# KiCad board poly_kb_wave_left2.kicad_pcb (continued)
## Routing (per net, layer and track width the routed paths; a pad name or vN(x,y) marks a point on that pad's centre or on a via; arc(x,y) is an arc through that point) (continued)
SR_DATA: length 242.3
  Top w0.229: v2(32.28,107.99) 30.68,107.99 28.29,105.6 22.69,105.6 21.49,104.4 13.49,104.4 5.69,96.6 5.69,53.75 DBG3.7
  In2.Cu w0.229: v2(151.19,117.9) 151.19,118.21 148,121.4 112.59,121.4 111.29,122.7 99.39,122.7 94.39,117.7 89.19,117.7 85.39,121.5 83.69,121.5 81.19,124 70.4,124 70.03,124.37 52.99,124.37 49.32,120.7 34.89,120.7 32.28,118.09 v2(32.28,107.99)
  Bottom w0.229: 154.98,105.34 154.98,105.35 154.45,105.35 ; 154.98,105.34 154.97,105.35 152.95,105.35 152.09,106.2 152.09,111.9 151.19,112.8 v2(151.19,117.9) ; 154.98,105.34 158.31,105.34 U10.38
  Bottom w0.254: U4.14 33.38,103.49 34.49,104.6 34.49,105.78 v2(32.28,107.99)
SR_LATCH: length 352.5
  Top w0.254: v2(30.59,34.1) 23.69,34.1 20.29,37.5 10.89,37.5 5.69,42.7 5.69,47.67 DBG3.8
  In1.Cu w0.229: 31.24,33.8 31.24,27.6 35.14,23.7 69.74,23.7 73.44,20 v2(79.29,20) 79.37,20.08 89.42,20.08 v2(89.49,20) ; 31.24,33.8 31.24,42.2 32.06,43.02 32.06,65.54 v2(32.04,65.56) 32.04,69.76 36.86,74.58 36.86,79.33 34.66,81.53 34.66,83.48 33.33,84.8 v2(33.29,84.8) ; 31.24,33.8 31.24,34.1 v2(30.59,34.1)
  In2.Cu w0.229: v2(150.89,120.3) 148.69,122.5 145.89,122.5 144.89,123.5 123.89,123.5 123.59,123.8 101.89,123.8 ; 101.89,123.8 99.39,123.8 94.19,118.6 89.43,118.6 85.65,122.38 84.11,122.38 81.73,124.76 70.74,124.76 70.36,125.13 52.23,125.13 48.79,121.7 34.59,121.7 31.09,118.2 31.09,107.8 32.37,106.52 v2(32.37,104.5) 32.39,104.48 32.39,93.7 31.79,93.1 31.79,86.3 32.89,85.2 ; 101.89,123.8 101.19,123.8 ; 32.69,85.4 32.89,85.2 ; 32.89,85.2 v2(33.29,84.8)
  Bottom w0.229: v2(32.04,65.56) 31.94,65.67 U6.12 ; U10.40 158.3,106.13 153.36,106.13 152.97,106.52 152.97,112.36 152.25,113.08 152.25,118.94 v2(150.89,120.3) ; U7.12 79.42,20.13 v2(79.29,20)
  Bottom w0.254: U4.12 32.36,104.49 v2(32.37,104.5) ; U8.12 89.51,20.02 v2(89.49,20)
  Bottom w0.3: U5.12 32.79,85.3 v2(33.29,84.8)
TB_INT: length 46.6
  Top w0.229: J38.2 150.39,64.54 150.39,70.4 154.69,74.7 154.69,104.02 v2(154.52,104.2)
  Bottom w0.229: U10.35 156.81,104.15 156.49,103.82 154.9,103.82 v2(154.52,104.2)
VSYS: length 50.6
  Top w0.254: F1.2 170.38,107.6 167.79,107.6 166.49,108.9 162.39,108.9 160.39,110.9 v2(153.59,110.9)
  Top w0.3: U1.1 178.22,112.59 v2(178.86,111.95) ; v2(175.29,116.1) 175,115.81
  Top w0.6: C10.1 174.29,103.91 175.94,103.91 U2.4 ; C4.1 174.25,117.15 175,116.41 175,115.81 U1.4 175.81,114.85 170.91,109.96 F1.2 172.27,108.13 172.27,106.23 174.26,104.23
  Bottom w0.254: R8.1 153.95,110.9 v2(153.59,110.9)
  Bottom w0.3: v2(175.29,116.1) 175.09,115.9 175.09,113.4 175.36,113.14 177.66,113.14 178.84,111.95 v2(178.86,111.95)
Net-(C8-Pad2): length 7.8
  Bottom w0.229: Y1.3 165.3,92.68 164.41,91.79 C8.2 162.32,91.79 161.24,92.87 R19.1
Net-(D1-K): length 2.5
  Top w0.229: R16.2 168.99,121.26 v2(168.99,122.05)
  Bottom w0.229: D1.1 169.77,121.27 v2(168.99,122.05)
Net-(D1_1-A): length 5.1
  Bottom w0.3: SW_K_1.2 11.53,105.03 D1_1.2
Net-(D1_2-A): length 2.8
  Bottom w0.3: 35.34,112.87 35.34,112.87 SW_K_2.2
Net-(D1_3-A): length 4.2
  Bottom w0.3: SW_K_3.2 54.39,108.34 D1_3.2
Net-(D1_4-A): length 4.3
  Bottom w0.254: SW_K_4.2 73.44,114.84 D1_4.2
Net-(D1_5-A): length 2.6
  Bottom w0.25: D1_5.2 92.49,109.86 SW_K_5.2
Net-(D1_6-A): length 2.8
  Bottom w0.3: 111.54,112.87 111.54,112.87 SW_K_6.2
Net-(D1_7-A): length 2.8
  Bottom w0.3: 130.59,112.87 130.59,112.87 SW_K_7.2
Net-(D1_8-A): length 5.1
  Bottom w0.254: D1_8.2 12.24,86.95 11.53,87.67 SW_K_8.2
Net-(D1_9-A): length 2.8
  Bottom w0.3: 35.34,93.82 35.34,93.82 SW_K_9.2
Net-(D1_10-A): length 4.6
  Bottom w0.3: SW_K_10.2 54.39,88.84 D1_10.2
Net-(D1_11-A): length 4.4
  Bottom w0.254: SW_K_11.2 73.44,91.41 D1_11.2
Net-(D1_12-A): length 2.8
  Bottom w0.3: SW_K_12.2 92.49,96.2 92.49,96.2
Net-(D1_13-A): length 2.8
  Bottom w0.3: 111.54,93.82 111.54,93.82 SW_K_13.2
Net-(D1_14-A): length 2.8
  Bottom w0.3: SW_K_14.2 130.59,93.82 130.59,93.82
Net-(D1_15-A): length 5.7
  Bottom w0.3: SW_K_15.2 11.53,68.02 D1_15.2
Net-(D1_16-A): length 3.3
  Bottom w0.254: SW_K_16.2 35.29,71.94 D1_16.2
Net-(D1_17-A): length 4.2
  Bottom w0.3: SW_K_17.2 54.39,70.26 D1_17.2
Net-(D1_18-A): length 4.3
  Bottom w0.3: D1_18.2 73.44,72.54 73.44,76.74
Net-(D1_19-A): length 2.8
  Bottom w0.3: SW_K_19.2 92.49,77.15 92.49,77.15
Net-(D1_20-A): length 2.8
  Bottom w0.3: 111.54,74.77 111.54,74.77 SW_K_20.2
Net-(D1_21-A): length 2.8
  Bottom w0.3: SW_K_21.2 130.59,74.77 130.59,74.77
Net-(D1_22-A): length 12.8
  Bottom w0.254: SW_K_22.2 11.53,50.37 13.49,48.4 13.49,46.8 12.39,45.7 12.39,43.3 11.44,42.35 D1_22.2
Net-(D1_23-A): length 4.3
  Bottom w0.254: SW_K_23.2 35.34,48.61 D1_23.2
Net-(D1_24-A): length 4.2
  Bottom w0.3: D1_24.2 54.39,51.14 SW_K_24.2
Net-(D1_25-A): length 4.2
  Bottom w0.254: SW_K_25.2 73.44,53.54 D1_25.2
Net-(D1_26-A): length 2.8
  Bottom w0.3: SW_K_26.2 92.49,58.1 92.49,58.1
Net-(D1_27-A): length 2.8
  Bottom w0.3: SW_K_27.2 111.54,55.72 111.54,55.72
Net-(D1_28-A): length 2.8
  Bottom w0.3: SW_K_28.2 133.37,51.65 133.37,51.65
Net-(D1_29-A): length 2.8
  Bottom w0.3: 157.63,45.31 157.62,45.3 SW_K_29.2
Net-(D1_30-A): length 2.8
  Bottom w0.3: SW_K_30.2 16.29,36.67 16.29,36.67
Net-(D1_31-A): length 4.4
  Bottom w0.254: SW_K_31.2 35.34,33.88 D1_31.2
Net-(D1_32-A): length 4.1
  Bottom w0.3: D1_32.2 54.39,32.26 SW_K_32.2
Net-(D1_33-A): length 4.3
  Bottom w0.254: SW_K_33.2 73.44,34.51 D1_33.2
Net-(D1_34-A): length 2.8
  Bottom w0.3: SW_K_34.2 104.26,32.48 104.27,32.48
Net-(D1_35-A): length 2.8
  Bottom w0.3: 127.67,29.94 127.66,29.94 SW_K_35.2
Net-(D1_36-A): length 2.8
  Bottom w0.3: SW_K_36.2 149.53,24.64 149.54,24.65
Net-(D5-A): length 19
  Top w0.6: v1(174.84,92.4) 175.92,92.4 U3.1
  Bottom w0.6: v1(174.84,92.4) 174.9,92.34 C14.1
  Bottom w0.75: D5.2 177.49,83.54 174.9,86.12 174.9,87.57 174.35,88.13 172.17,88.13 171.74,88.55 JP1.1 171.74,91.8 172.34,92.4 v1(174.84,92.4)
Net-(D5-K): length 2.3
  Bottom w0.4: D5.1 178.48,81.78 176.3,81.78
Net-(D6-K): length 4.9
  Top w0.4: v2(179.44,88.05) 179.44,87.05 179.02,86.63 R6.2
  Bottom w0.4: v2(179.44,88.05) 179.44,88.95 178.73,89.67 D6.1
Net-(D12-A): length 32.3
  Top w0.3: SW1.S2 161.46,68.6 171.99,68.6 174.19,66.4 174.19,62.1 172.69,60.6 SW1.S2
  Bottom w0.3: D12.2 159,77.84 SW1.S2
Net-(J39-Pin_2): length 3.4
  Top w0.3: v2(158.09,86.5) 158.96,86.5 159.45,86.99 J39.2
  Bottom w0.3: v2(158.09,86.5) 158.6,86.5 C30.1
Net-(J39-Pin_3): length 3.4
  Top w0.3: v2(159.99,85.4) 159.95,85.45 J39.3
  Bottom w0.3: v2(159.99,85.4) 159.99,86.07 C30.2
Net-(J39-Pin_4): length 3.5
  Top w0.3: v2(160.89,85.4) 160.45,85.85 J39.4
  Bottom w0.3: C31.1 160.89,86.17 v2(160.89,85.4)
Net-(J39-Pin_5): length 3.5
  Top w0.3: J39.5 160.95,86.35 v2(161.79,85.5)
  Bottom w0.3: C31.2 161.79,86.11 v2(161.79,85.5)
Net-(J39-Pin_26): length 5.8
  Top w0.254: v2(171.99,85.75) 171.45,86.3 J39.26
  Bottom w0.254: 172.27,82.5 171.99,82.78 v2(171.99,85.75)
Net-(J39-Pin_27): length 3
  Top w0.254: J39.27 171.95,86.8 v2(172.14,86.6)
  Bottom w0.254: C33.1 173.46,86.6 v2(172.14,86.6)
Net-(J39-Pin_28): length 3.9
  Top w0.254: J39.28 172.45,87.17 172.74,86.88 v2(172.74,85.6)
  Bottom w0.254: v2(172.74,85.6) 173.67,84.67 C34.1
Net-(R10-Pad1): length 2.5
  Top w0.6: R11.2 177.28,99.21 176.58,98.51 R10.1
Net-(R13-Pad2): length 1.8
  Bottom w0.3: 179.72,93.68 R13.2 ; 179.73,95.48 R25.2
  Bottom w0.5: R13.2 179.73,95.48
Net-(R18-Pad2): length 1.9
  Bottom w0.5: R24.1 171.07,114.64 R18.2
Net-(U1A-FB): length 16.4
  Top w0.3: R14.1 175.98,110.2 173.35,110.2 v2(173.05,110.5) 173.05,111.1 174.9,112.95 U1.5
  Top w0.6: R14.1 176.81,110.93 C5.2 178.26,110.83 R17.2
  Bottom w0.3: R18.1 172.76,110.79 v2(173.05,110.5)
Net-(U1A-SW): length 4.5
  Top w0.6: v1(179.56,115.2) 179.21,114.85 U1.3
  Bottom w0.6: v1(179.56,115.2) 178.02,115.2 L2.1
Net-(U2A-FB): length 9
  Top w0.5: U2.5 175.95,100.15
  Top w0.6: R11.1 178,100.96 176.03,100.96 175.95,101.04 ; R12.2 174.29,102 U2.5 175.95,100.15 C11.2
Net-(U2A-SW): length 3.9
  Top w0.5: v1(179.19,105.1) 179.19,104.87 U2.3
  Bottom w0.5: L1.1 178.68,104.59 v1(179.19,105.1)
Net-(U3-SET): length 2.3
  Top w0.5: U3.3 178.38,92.4 v2(178.78,92.8)
  Bottom w0.5: v2(178.78,92.8) 178.78,92.97 R13.1
Net-(U10-USB_DM): length 2.7
  Bottom w0.229: U10.46 160.35,109.62 R23.2
Net-(U10-USB_DP): length 2.6
  Bottom w0.229: R22.2 161.25,110.11 160.75,109.61 U10.47
Net-(USB1-CC1): length 2.6
  Top w0.3: v2(159.74,121) 159.74,121.58 R7.2
  Bottom w0.3: 159.75,119.5 159.75,121 v2(159.74,121)
Net-(USB1-CC2): length 2.6
  Top w0.3: R9.2 162.74,121.57 v2(162.74,121)
  Bottom w0.3: 162.75,119.5 162.75,121 v2(162.74,121)
Net-(USB1-SHIELD): length 20
  Top w0.6: 165.32,120.42 164.8,119.9 157.19,119.9 156.68,120.42
  Bottom w0.3: USB1.13 USB1.13 ; USB1.13 USB1.13
  Bottom w0.6: USB1.13 156.63,120.4 FB1.1
Net-(USB2-SHIELD): length 19
  Top w0.3: USB2.13 176.17,65.79 FB2.1 ; USB2.13 USB2.13
  Bottom w0.3: USB2.13 USB2.13 ; USB2.13 USB2.13

## Copper pours and planes (outline as drawn; the poured copper is in the pictures)
GND on Top, Bottom, In1.Cu, In2.Cu: 183.09,125.7 168.09,125.7 168.09,116.7 169.59,115.2 169.59,114.7 171.09,113.2 171.59,113.2 172.09,112.7 172.09,107.2 183.09,107.2
GND on Top, Bottom, In1.Cu, In2.Cu: 182.84,106.2 170.59,106.2 170.34,105.95 170.34,97.95 182.84,97.95
GND on Top, Bottom, In1.Cu, In2.Cu: 183.34,89.7 171.09,89.7 171.09,97.45 183.34,97.45
GND on Top, Bottom, In1.Cu, In2.Cu: 162.95,100.42 163.21,98.37 165.25,98.37 166.85,96.87 166.85,92.17 165.25,90.77 161.7,90.77 160.05,92.42 160.05,96.52 161.1,97.57 161.1,99.52 161.75,100.17 161.75,101.37 161.85,101.47 162.95,101.47
GND on Top, Bottom, In1.Cu, In2.Cu: 182.49,89.5 170.79,89.5 170.79,97.5 169.99,97.5 169.99,101.5 163.04,101.5 163.04,100.45 163.29,98.5 165.39,98.5 166.99,96.9 166.99,92.05 165.29,90.6 161.59,90.6 159.89,92.3 159.89,96.6 160.94,97.65 160.94,99.65 161.69,100.3 161.69,101.5 169.99,101.5 169.99,106.2 171.09,107.3 171.09,112.7 169.29,114.5 169.29,115 167.89,116.4 167.89,132.5 -6.96,132.55 -6.96,-1.7 182.59,-1.7

Small or netless copper shapes (teardrops, artwork), in the pictures only: 3 on Bottom

## Text on the board
B.Silkscreen: IN | AUSTRIA | DESIGNED | 12 | 1 | Left Side - rev2.2 06/2023 - by thpoll | D1 | C3 | C6 | C5 | C2 | C4 | R1 | C1 | Dbg | D+ | D- | ALPS/JP / Rotary Enc | pimoroni / TRACKBALL | Cirque | . | Split72 | PolyKybd | BOOT | RESET | HOST | ON | BRIDGE | VBAT | VBAT LIMIT
User.Comments: -2.6/-7.35
F.Silkscreen: 30 | . | by thpoll | Split | PolyKybd
